# Altium PCB Tigershark 3D R2.2 - RRDC.PcbDoc (part 3 of 4)
Units mil, origin at the board's own origin, x right, y up, seen from the top; angles counter-clockwise.
Board outline 4100 x 4050 mil, 4 copper layers (Top Layer, Groun Plane, Power Plane, Bottom Layer), stack 61.73 mil thick; 356 components, 244 nets, 1149 pads, 847 vias.
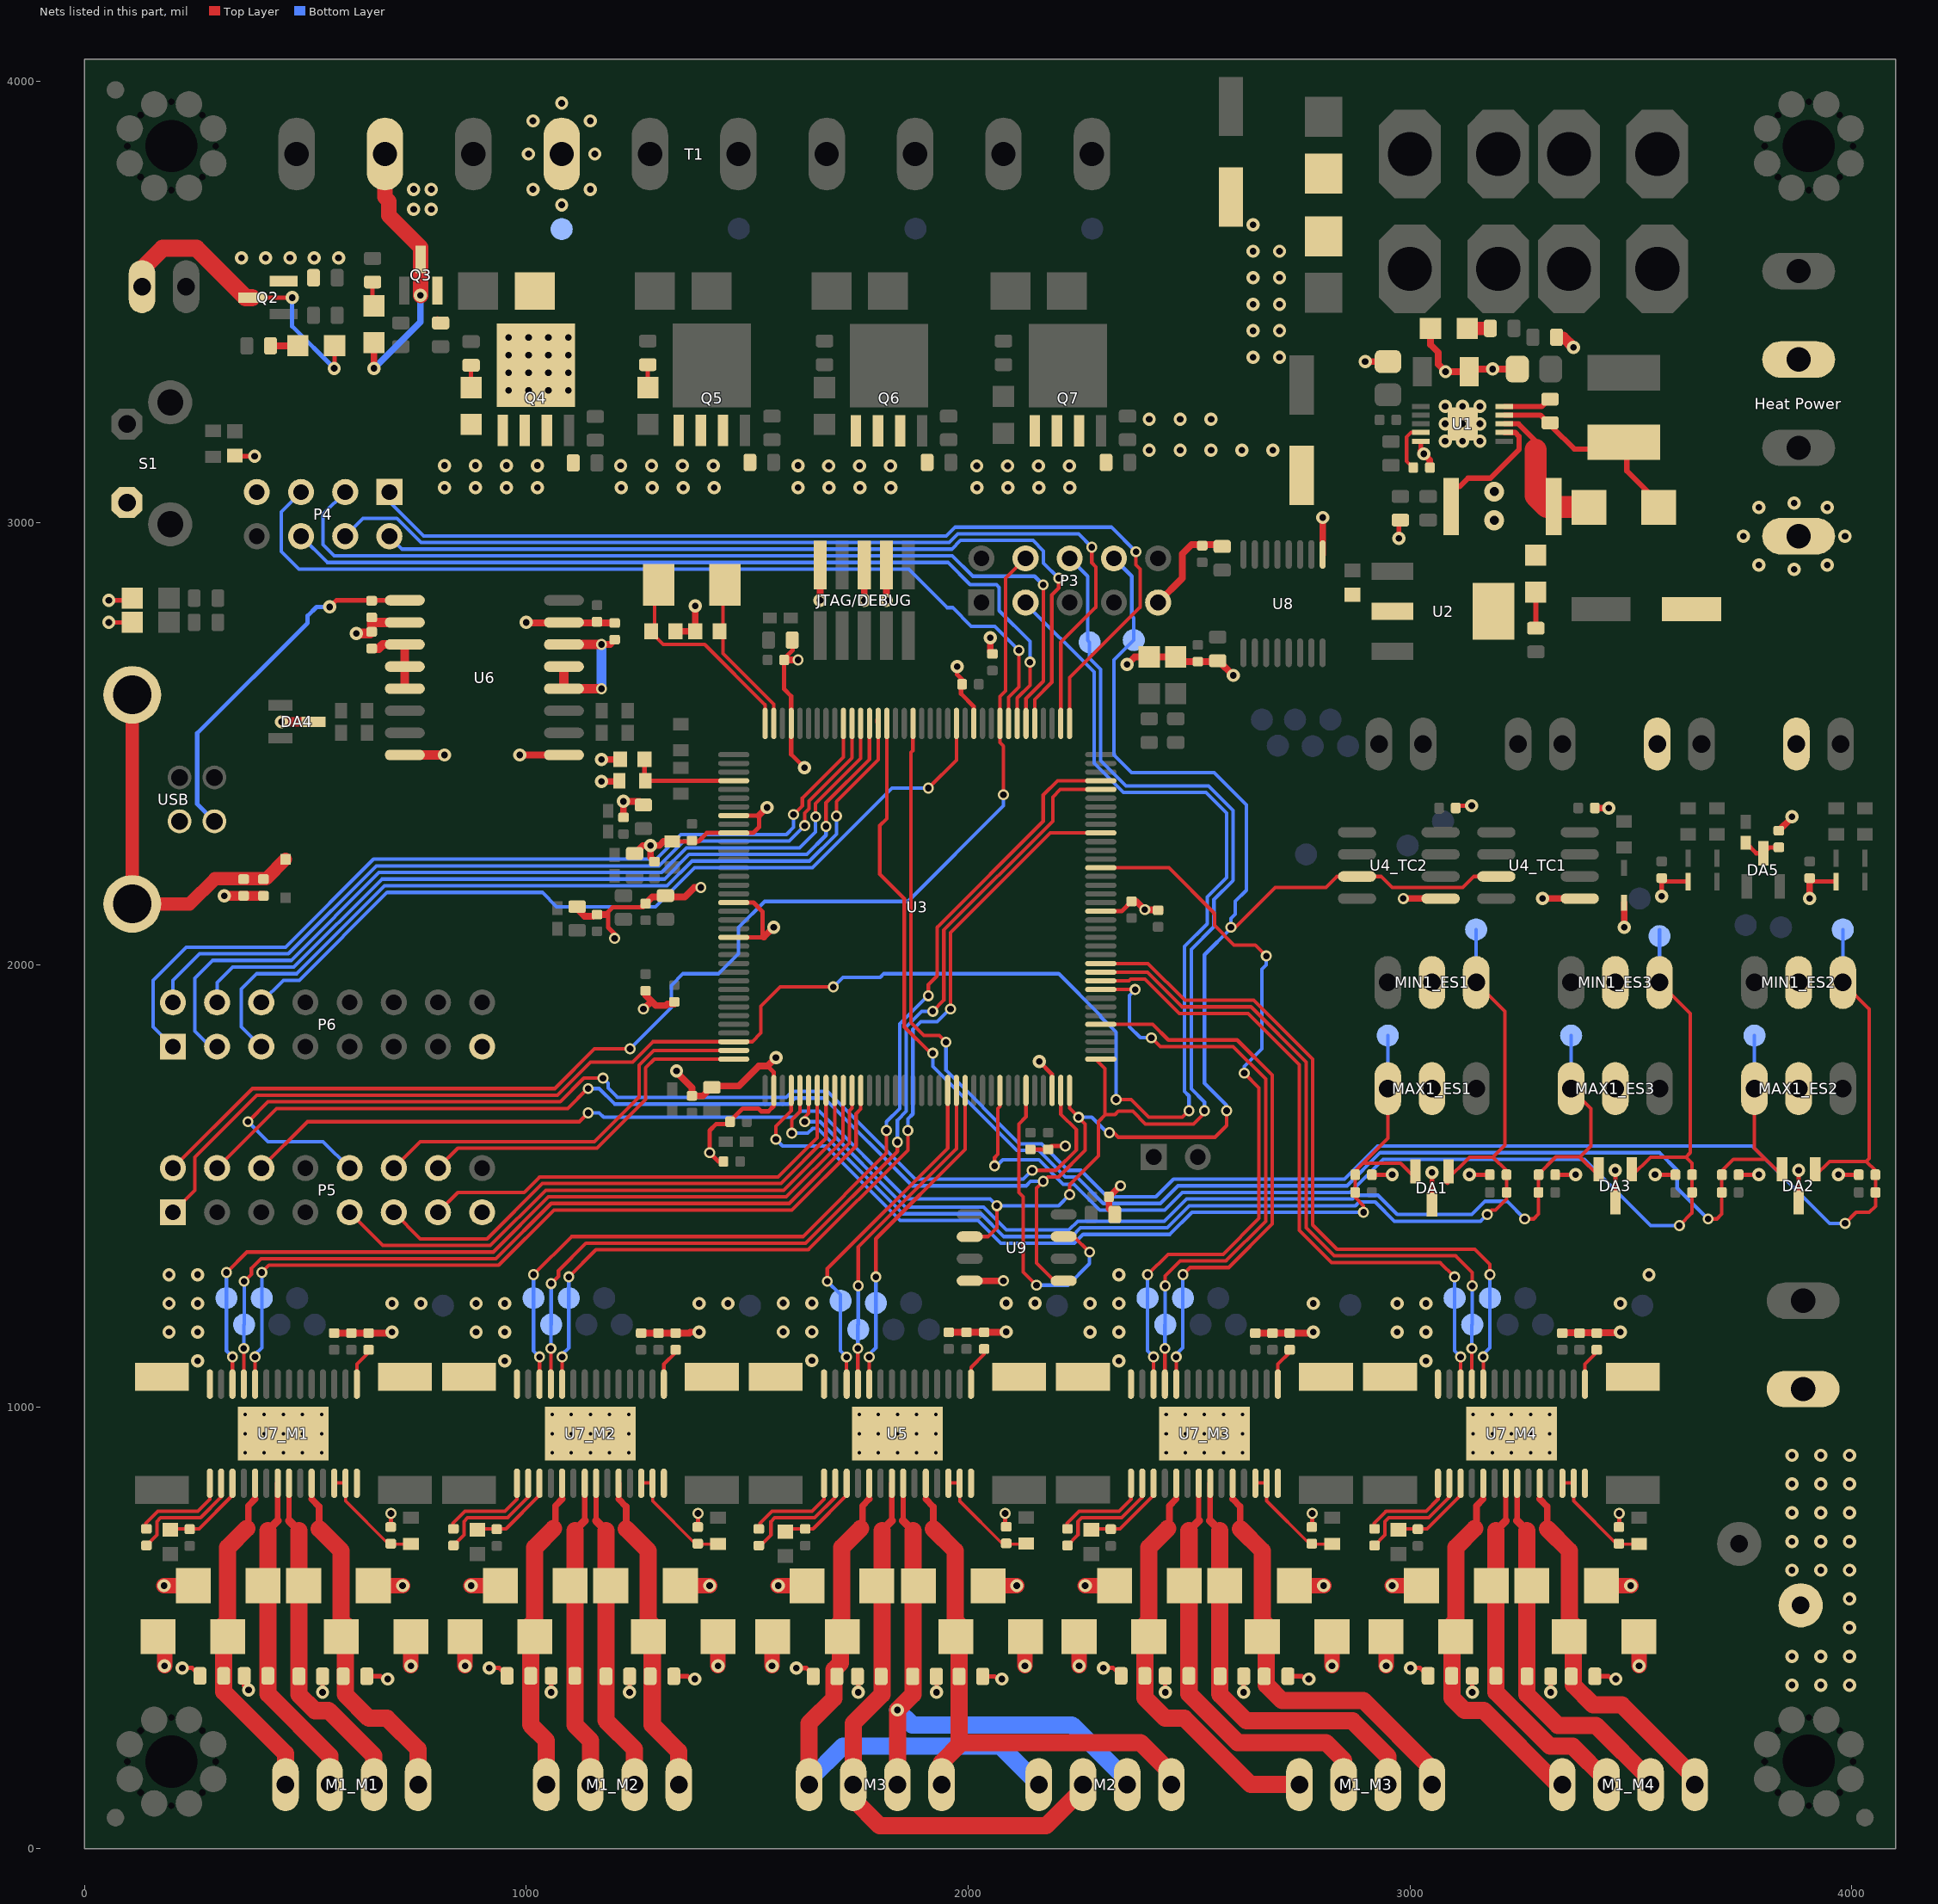
[diagram p5: the nets of this part, all layers, seen from the top]

## Via types
v1: diameter 30, hole 15, Top Layer to Bottom Layer, tented both sides, 526 vias
v2: diameter 25, hole 15, Top Layer to Bottom Layer, tented both sides, 173 vias
v3: diameter 19.68, hole 7.87, Top Layer to Bottom Layer, 75 vias
v4: diameter 25, hole 15, Top Layer to Bottom Layer, 61 vias
v5: diameter 30, hole 15, Top Layer to Bottom Layer, 9 vias
v6: diameter 45, hole 20, Top Layer to Bottom Layer, tented both sides, 2 vias
v7: diameter 25, hole 15, Top Layer to Bottom Layer, tented bottom, 1 vias

## Nets (pads, with @x,y where several pads share a name; then routed paths per layer and width w, separated by ;. In a path a pad name is that pad's centre, name@x,y a point inside that pad or via, vN(x,y) a via of type N, cw(c..) or ccw(c..) an arc to the next point about the centre after c; other vN are vias at no path point) (continued)
GND: "Heat Power.2" "Heat Power.4" "Motor Power.2" C1_ES1.2 C1_ES2.2 C1_ES3.2 C2_ES1.2 C2_ES2.2 C2_ES3.2 C3_M1.2 C3_M2.2 C3_M3.2 C3_M4.2 C4.1 C5_M1.2 C5_M2.2 C5_M3.2 C5_M4.2 C6_M1.2 C6_M2.2 C6_M3.2 C6_M4.2 C7.2 C8_M1.2 C8_M2.2 C8_M3.2 C8_M4.2 C9.2 C10.2 C11.2 C12_M1.1 C12_M2.1 C12_M3.1 C12_M4.1 C13.1 C14_M1.1 C14_M2.1 C14_M3.1 C14_M4.1 C15.2 C16.2 C17.1 C18.2 C19.1 C20.1 C21.2 C22.2 C23.1 C25.1 C26.1 C27.1 C28.1 C29.1 C30_TR1.1 C30_TR2.1 C31_TC1.1 C31_TC2.1 C32.1 C33.1 C34.1 C36.1 C37.1 C38.1 C39.1 C41.1 C42.1 C43.1 C44.1 C45.1 C46.1 C47.1 C48.1 C50.1 C51.1 C52.2 C53.1 C54.1 C55.1 C56.1 C57.1 C60.1 C61.1 C62.2 C63.1 C64.1 C65.1 C67.2 C69.1 C70.1 C71_M1.1 C71_M2.1 C71_M3.1 C71_M4.1 C72.2 C73.1 C75_M1.1 C75_M2.1 C75_M3.1 C75_M4.1 D1.1 D4.1 D5_TR1.1 D5_TR2.1 D6.1 D7.C D9.C D20_M1.C D20_M2.C D20_M3.C D20_M4.C D21_M1.C D21_M2.C D21_M3.C D21_M4.C D22_M1.C D22_M2.C D22_M3.C D22_M4.C D23_M1.C D23_M2.C D23_M3.C D23_M4.C D24.C D25.C D26.C D27.C D28.C D29.C D30.C D31.C DA1.3 DA2.3 DA3.3 JTAG/DEBUG.3 JTAG/DEBUG.5 JTAG/DEBUG.9 MAX1_ES1.2 MAX1_ES2.2 MAX1_ES3.2 MIN1_ES1.2 MIN1_ES2.2 MIN1_ES3.2 P2_TR1.2 P2_TR2.2 P3.9 P4.7 P5.15 P6.15 Q2.2 Q3.2 Q4.1 Q4.2 Q4.3 Q5.1 Q5.2 Q5.3 Q6.1 Q6.2 Q6.3 Q7.1 Q7.2 Q7.3 R4.2 R9.1 R12.2 R23.1 R32_M1.1 R32_M2.1 R32_M3.1 R32_M4.1 R33_M1.1 R33_M2.1 R33_M3.1 R33_M4.1 R38.1 R39.1 R46.2 R55.2 R59.2 R63.2 R67.2 R71.2 S1.2 U1.5 U1.7 U1.11 U2.2 U2.4 U3.12 U3.33 U3.44 U3.46 U3.54 U3.58 U3.74 U3.106 U3.126 U4_TC1.1 U4_TC2.1 U5.14 U5.28 U5.29 U6.9 U6.15 U7_M1.14 U7_M1.28 U7_M1.29 U7_M2.14 U7_M2.28 U7_M2.29 U7_M3.14 U7_M3.28 U7_M3.29 U7_M4.14 U7_M4.28 U7_M4.29 U8.9 U9.4 | length 9094.6
  Top Layer w10: v1(55,2775) D29.C@108,2775 ; v1(55,2825) 103,2825 D24.C@108,2830 ; v1(221.26,408.74) 243.49,408.74 C3_M1.2@261.23,391 ; C63.1@340,3152.44 341.44,3151 v1(385,3151) ; C5_M1.2@361.23,391 361.23,368.77 v1(371.26,358.74) ; v1@538.77,361.23 C8_M1.2@538.77,390 ; C6_M1.2@638.77,390 670,390 v1@686.26,373.74 ; C75_M1.1@693.74,727.44 v4(693.74,758.74) ; R55.2@798.4,3463.13 R55.2@806,3455.53 ; v1(916.26,408.74) 938.49,408.74 C3_M2.2@956.23,391 ; v1(1056.23,353.77) C5_M2.2@1056.23,391 ; 1179.12,2113.7 1185.42,2120 ; v2@1200,2070 1185.42,2084.58 1185.42,2120 ; v1(1233.77,353.74) C8_M2.2@1233.77,390 ; C37.1@1265,2130 1195.42,2130 1185.42,2120 ; R4.2@1319.97,2279.53 1389.88,2279.53 1408.78,2298.43 U3.46@1469.65,2298.43 1513.43,2298.43 1526.69,2311.69 1526.69,2331.75 1526.69,2337.8 U3.44@1469.65,2337.8 ; C6_M2.2@1333.77,390 1365,390 v1@1381.26,373.74 ; C75_M2.1@1388.74,727.44 v4(1388.74,758.74) ; C64.1@1446.3,1555 1435,1555 v2(1415,1575) 1415,1625 1430,1640 1455,1640 1490,1675 1525,1675 1531.69,1668.31 1547.93,1668.31 1560.2,1680.58 U3.74@1560.2,1715.75 1560.2,1757.01 1546.1,1771.1 ; U3.58@1469.65,2062.2 1537.2,2062.2 ; U3.54@1469.65,2140.94 1514.06,2140.94 1535,2120 1535,2065 1537.5,2062.5 ; C33.1@1583.7,2693.91 1583.7,2623.86 1599.57,2607.99 U3.33@1599.57,2546.46 1599.57,2476.26 v1(1629.72,2446.1) ; C33.1@1585,2693.91 1602.56,2711.47 C32.1@1602.56,2726.1 ; v1(1611.29,408.71) 1633.52,408.71 C52.2@1651.26,390.97 ; v1(1751.26,353.74) C62.2@1751.26,390.97 ; v1(1928.8,353.71) C72.2@1928.8,389.97 ; v1(1975,2675) 1975,2657.46 1990,2642.46 1984,2636.46 1984,2613.57 2012.95,2584.61 U3.12@2012.95,2546.46 ; C67.2@2028.8,389.97 2060.03,389.97 v1@2076.29,373.71 ; C51.1@2083.77,727.41 v4(2083.77,758.71) ; C23.1@2141.1,1582.4 C45.1@2181.1,1582.4 2188.7,1590 v2(2220,1590) ; v1(2161.1,1781.1) 2190.12,1752.09 U3.106@2190.12,1715.75 ; U3.126@2300.35,2121.26 2347.56,2121.26 C46.1@2370,2143.7 ; v1(2306.26,408.74) 2328.49,408.74 C3_M3.2@2346.23,391 ; v1(2446.23,353.77) C5_M3.2@2446.23,391 ; v1(2623.77,353.74) C8_M3.2@2623.77,390 ; C6_M3.2@2723.77,390 2755,390 v1@2771.26,373.74 ; C75_M3.1@2778.74,727.44 v4(2778.74,758.74) ; C2_ES1.2@2922.56,1525 v1(2960,1525) ; v1(2975,2965) 2975,3003.33 R12.2@2978.32,3006.65 ; v1(3001.26,408.74) 3023.49,408.74 C3_M4.2@3041.23,391 ; v1@3024.83,3162.91 U1.5@3024.83,3185.06 ; DA1.3@3050,1442.6 v1(3050,1530) ; C31_TC2.1@3103.7,2360 v1(3140,2360) ; v1(3135,1525) C1_ES1.2@3172.91,1525 ; v1(3141.23,353.77) C5_M4.2@3141.23,391 ; v1(3318.77,353.74) C8_M4.2@3318.77,390 ; C2_ES3.2@3329,1525 v1(3375,1525) ; C6_M4.2@3418.77,390 3450,390 v1@3466.26,373.74 ; DA3.3@3465,1447.6 v1(3465,1535) ; C75_M4.1@3473.74,727.44 v4(3473.74,758.74) ; v1(3555,1525) C1_ES3.2@3592.91,1525 ; v1(3570,2155) 3570,2187.44 3570.98,2188.43 D5_TR2.1@3630,2188.43 ; C2_ES2.2@3752.56,1525 v1(3790,1525) ; DA2.3@3880,1447.6 v1(3880,1535) ; C30_TR1.1@3905,2187.44 3905.98,2188.43 D5_TR1.1@3965,2188.43 ; v1(3970,1525) C1_ES2.2@4007.91,1525
  Top Layer w12: 3112.95,3083 3131.36,3101.41 3182.42,3101.41 3246.88,3165.87 3246.88,3196.35 3238.49,3204.74 U1.7@3213.8,3204.74
  Top Layer w15: C12_M1.1@565,1166.7 C14_M1.1@604,1166.7 C71_M1.1@643,1166.7 694.22,1166.7 v1(696.26,1168.74) ; v1(985,2475) U6.9@1085.12,2475 ; v1(1000,2775) 1001.3,2773.7 C56.1@1200,2773.7 ; C55.1@1110,2131.77 1131.77,2110 C54.1@1151.3,2110 ; C54.1@1160,2113.7 1179.12,2113.7 ; v1(1170,2415) 1208.94,2415 R23.1@1210.47,2416.54 ; v1(1170,2465) C73.1@1212.44,2465 ; C61.1@1220,2333.7 v1(1220,2370) 1256.77,2370 C60.1@1265,2361.77 ; C28.1@1246.22,2252.56 1263.66,2270 v1(1281.22,2270) ; C12_M2.1@1260,1166.7 C14_M2.1@1299,1166.7 C71_M2.1@1338,1166.7 1369.22,1166.7 1371.26,1168.74 v1(1391.26,1168.74) ; v2(1265,1900) 1265.82,1900 1283.56,1917.74 ; C37.1@1265,2133.7 1284.96,2153.66 1358.66,2153.66 1380,2175 v2(1395,2175) ; C53.1@1291.22,2233.7 1281.22,2243.7 v1(1281.22,2270) ; 1310.75,2279.53 1301.22,2270 v1(1281.22,2270) ; C48.1@1335,1911.3 1319.48,1911.3 1316.18,1908 1293.3,1908 1290,1911.3 1283.56,1917.74 ; C43.1@1337.56,2755 C44.1@1382.44,2755 v1(1382.44,2812.44) ; v1(1340,1760) 1340,1756.69 1375,1721.69 C27.1@1375,1703.7 1400.04,1703.7 1422.44,1726.1 1481.1,1726.1 1526.1,1771.1 1546.1,1771.1 v1(1565,1790) ; 1526.69,2337.8 v1(1545,2356.1) ; 1537.5,2062.5 v1(1560,2085) ; C33.1@1588.91,2690 v2(1615,2690) ; v1(1665,2825) JTAG/DEBUG.9@1665,2904.92 ; v1(1765,2825) JTAG/DEBUG.5@1765,2904.92 ; v1(1815,2825) 1815,2894.92 1820,2899.92 JTAG/DEBUG.3@1815,2904.92 ; C69.1@1956.26,1168.44 C70.1@1996.26,1168.44 C50.1@2036.26,1168.44 2085.48,1168.44 v1(2086.52,1169.48) ; U9.4@2003.7,1285 v2(2080,1285) ; v1(2050,2740) 2050,2708.7 C38.1@2055,2703.7 ; C29.1@2331.77,1435 2318.7,1448.07 C34.1@2318.7,1475 2345,1501.3 v2(2345,1500) ; v1(2360,2680) 2377,2697 D31.C@2410,2697 D30.C@2470,2697 2480.7,2686.3 C26.1@2520,2686.3 2568.7,2686.3 v1(2600,2655) ; C46.1@2370,2143.7 2381.3,2143.7 v2(2400,2125) 2400,2128.7 2404.35,2124.35 C39.1@2434.35,2124.35 ; P3.9@2430,2820 2485,2875 2485,2930 2506,2951 C17.1@2560,2951 ; C12_M3.1@2650,1166.7 C14_M3.1@2689,1166.7 C71_M3.1@2728,1166.7 2779.22,1166.7 v1(2781.26,1168.74) ; U8.9@2802.57,2928.66 v1(2802.57,3012.43) ; v1(2898.76,3365.43) C10.2@2950.31,3365.43 ; v2(2985,2150) U4_TC2.1@3069.49,2150 ; v1@3024.83,3162.91 3045.31,3142.43 C22.2@3045.31,3125.43 ; D7.C@3046.76,3440.43 3046.76,3403.03 3064.32,3385.48 3064.32,3358.87 v1(3080.76,3342.43) C9.2@3134.46,3342.43 ; C9.2@3140.46,3348.43 v1(3187.31,3348.43) C21.2@3243.31,3348.43 ; v1(3300,2150) U4_TC1.1@3384.49,2150 ; C12_M4.1@3343.74,1167.44 v1@3467.44,1167.44 ; C31_TC1.1@3427.56,2355 v1(3450,2355) ; v1(3485,2085) D1.1@3485,2140.63 ; C19.1@3835,2303.7 3865,2333.7 v1(3865,2335) ; v1(3905,2150) C30_TR1.1@3905,2187.44 ; 1283.56,1917.74 1270,1931.3 1283.56,1917.74
  Top Layer w25: C11.2@3332.09,3420.43 3347.31,3420.43 v1(3370.31,3397.43)
  Top Layer w35: D20_M1.C@166.26,480 181.26,465 v1(181.26,413.74) ; v1(180,595) D21_M1.C@246.26,595 ; D23_M1.C@653.74,595 v1(720,595) ; v1(738.74,413.74) D22_M1.C@738.74,480 ; v1(861.26,413.74) D20_M2.C@861.26,480 ; v1(875,595) D21_M2.C@941.26,595 ; D23_M2.C@1348.74,595 v1(1415,595) ; v1(1433.74,413.74) D22_M2.C@1433.74,480 ; v1(1556.29,413.71) D25.C@1556.29,479.97 ; v1(1570.03,594.97) D26.C@1636.29,594.97 ; D28.C@2043.77,594.97 v1(2110.03,594.97) ; v1(2128.77,413.71) D27.C@2128.77,479.97 ; v1(2251.26,413.74) D20_M3.C@2251.26,480 ; v1(2265,595) D21_M3.C@2331.26,595 ; D23_M3.C@2738.74,595 v1(2805,595) ; v1(2823.74,413.74) D22_M3.C@2823.74,480 ; v1(2946.26,413.74) D20_M4.C@2946.26,480 ; v1(2960,595) D21_M4.C@3026.26,595 ; D23_M4.C@3433.74,595 v1(3500,595) ; v1(3518.74,413.74) D22_M4.C@3518.74,480
  other v1: 538.77,353.74 3865,370 3930,370 3995,370 686.26,383.74 1381.26,383.74 2076.29,383.71 2771.26,383.74 3466.26,383.74 3865,435 3930,435 3995,435 3995,500 3995,565 3865,630 3930,630 3995,630 3865,695 3930,695 3995,695 3865,760 3930,760 3995,760 3865,825 3930,825 3995,825 3865,890 3930,890 3995,890 256.26,1103.74 951.26,1103.74 1646.52,1104.48 2341.26,1103.74 3036.26,1103.74 191.26,1168.74 256.26,1168.74 886.26,1168.74 951.26,1168.74 1581.52,1169.48 1646.52,1169.48 2276.26,1168.74 2341.26,1168.74 2971.26,1168.74 3036.26,1168.74 3476.26,1168.74 191.26,1233.74 256.26,1233.74 696.26,1233.74 761.26,1233.74 886.26,1233.74 951.26,1233.74 1391.26,1233.74 1456.26,1233.74 1581.52,1234.48 1646.52,1234.48 2086.52,1234.48 2151.52,1234.48 2276.26,1233.74 2341.26,1233.74 2781.26,1233.74 2971.26,1233.74 3036.26,1233.74 3476.26,1233.74 191.26,1298.74 256.26,1298.74 2341.26,1298.74 3541.26,1298.74 3870,2895 3790,2905 3945,2905 3755,2970 3985,2970 3790,3035 3945,3035 3870,3045 815,3080 885,3080 955,3080 1025,3080 1215,3080 1285,3080 1355,3080 1425,3080 1615,3080 1685,3080 1755,3080 1825,3080 2020,3080 2090,3080 2160,3080 2230,3080 1684.5,3129.19 1754.5,3129.19 1824.5,3129.19 2019.5,3129.19 2089.5,3129.19 2159.5,3129.19 2229.5,3129.19 815,3130 885,3130 955,3130 1025,3130 1213.5,3129.61 1283.5,3129.61 1353.5,3129.61 1423.5,3129.61 1615,3130 3031.31,3156.43 2410,3165 2480,3165 2550,3165 2620,3165 2690,3165 2410,3235 2480,3235 2550,3235 2645,3375 2705,3375 2645,3435 2705,3435 2645,3495 2705,3495 2645,3555 2705,3555 355,3600 410,3600 465,3600 520,3600 575,3600 2645,3615 2705,3615 2645,3675 745,3710 785,3710 745,3755 785,3755
  other v2: 1200,2060
  other v3: 363.39,895.69 406.69,895.69 450,895.69 493.31,895.69 536.61,895.69 1058.39,895.69 1101.69,895.69 1145,895.69 1188.31,895.69 1231.61,895.69 1753.65,895.69 1796.95,895.69 1840.26,895.69 1883.57,895.69 1926.87,895.69 2448.39,895.69 2491.69,895.69 2535,895.69 2578.31,895.69 2621.61,895.69 3143.39,895.69 3186.69,895.69 3230,895.69 3273.31,895.69 3316.61,895.69 363.39,939 406.69,939 450,939 493.31,939 536.61,939 1058.39,939 1101.69,939 1145,939 1188.31,939 1231.61,939 1753.65,939 1796.95,939 1840.26,939 1883.57,939 1926.87,939 2448.39,939 2491.69,939 2535,939 2578.31,939 2621.61,939 3143.39,939 3186.69,939 3230,939 3273.31,939 3316.61,939 363.39,982.31 406.69,982.31 450,982.31 493.31,982.31 536.61,982.31 1058.39,982.31 1101.69,982.31 1145,982.31 1188.31,982.31 1231.61,982.31 1753.65,982.31 1796.95,982.31 1840.26,982.31 1883.57,982.31 1926.87,982.31 2448.39,982.31 2491.69,982.31 2535,982.31 2578.31,982.31 2621.61,982.31 3143.39,982.31 3186.69,982.31 3230,982.31 3273.31,982.31 3316.61,982.31
  other v5: 3079.94,3185.06 3119.31,3185.06 3158.68,3185.06 3079.94,3224.43 3119.31,3224.43 3158.68,3224.43 3079.94,3263.8 3119.31,3263.8 3158.68,3263.8
  other v6: 3191,3006 3191,3071
GPIO_P_0: P4.1 U3.1 | length 2233.6
  Top Layer w8: U3.1@2229.49,2546.46 2230,2546.97 2230,2650 2389.47,2809.47 2389.47,2895.53 2380,2905 v2(2380,2935)
  Bottom Layer w8: P4.1@690,3070 690,3048.53 767.8,2970.72 1950.72,2970.72 1970.53,2990.53 2324.47,2990.53 v2(2380,2935)
GPIO_P_1: P4.3 U3.6 | length 2137.7
  Top Layer w8: U3.6@2131.06,2546.46 2131.06,2602.42 2170.53,2641.89 2170.53,2859.47 v2(2170,2860)
  Bottom Layer w8: P4.3@590,3070 540,3020 540,2950.72 565,2925.72 1964.28,2925.72 2010.53,2879.47 2150.53,2879.47 v2(2170,2860)
GPIO_P_2: P4.5 U3.8 | length 2090.6
  Top Layer w8: U3.8@2091.69,2546.46 2091.69,2605.48 2115,2628.79 v2(2115,2711.77)
  Bottom Layer w8: P4.5@490,3070 445,3025 445,2935.72 485,2895.72 1865.49,2895.72 1952.71,2808.5 1964.73,2808.5 2007.23,2766 2060.77,2766 v2(2115,2711.77)
GPIO_P_3: P4.2 U3.5 | length 1937.8
  Top Layer w8: U3.5@2150.75,2546.46 2150.75,2600.9 2189.47,2639.62 2189.47,2836.79 2205,2852.31 v2(2205,2875)
  Bottom Layer w8: P4.2@690,2970 719.28,2940.72 1963.15,2940.72 1982.95,2960.53 2146.79,2960.53 2170.53,2936.79 2170.53,2909.47 v2(2205,2875)
GPIO_P_4: P4.4 U3.2 | length 2186.1
  Top Layer w8: U3.2@2209.8,2546.46 2209.8,2729.8 2289.47,2809.47 2289.47,2900.53 2280,2910 v2(2280,2945)
  Bottom Layer w8: P4.4@590,2970 630.53,3010.53 706.79,3010.53 761.59,2955.72 1956.94,2955.72 1976.74,2975.53 2250,2975.53 2280,2945.53 v2(2280,2945)
GPIO_P_5: P4.6 U3.7 | length 1976.8
  Top Layer w8: U3.7@2111.38,2546.46 2111.38,2603.95 2140,2632.57 v2(2140,2685)
  Bottom Layer w8: P4.6@490,2970 549.28,2910.72 1954.28,2910.72 2004.47,2860.53 2064.08,2860.53 2070.53,2854.08 2070.53,2801.63 2140,2732.16 v2(2140,2685)
HOLD#: U3.103 U9.7 | length 703.6
  Top Layer w8: U3.103@2131.06,1715.75 2131.06,1656.06 2115,1640 2115,1485 2125,1475 2125,1305 v2(2155,1275) ; U9.7@2216.3,1385 2240,1385 v2(2275,1350)
  Bottom Layer w8: v2(2155,1275) 2226.31,1275 2275,1323.69 v2(2275,1350)
I2C_SCL: P3.3 P5.1 U3.70 | length 4325.8
  Top Layer w8: P5.1@200,1440 250,1490 250,1565 390,1705 1070.55,1705 1145.55,1780 1240.8,1780 1286.79,1825.98 U3.70@1469.65,1825.98 1510.98,1825.98 1531.08,1846.08 1531.08,1906.08 1575,1950 v2(1695,1950) ; v2(2335,1695) 2368.71,1695 2408.71,1655 2485,1655 v2(2500,1670)
  Bottom Layer w8: v2(1695,1950) 1716.5,1971.5 1800.95,1971.5 1809.45,1980 2205,1980 2300,1885 2300,1882.57 2335,1847.57 v2(2335,1695) ; P3.3@2130,2820 2130,2817.57 2285,2662.57 2285,2456.36 2351.36,2390 2538.23,2390 2585,2343.23 2585,2197.28 2541.5,2153.78 2541.5,2092.86 2490,2041.36 2490,1713.38 2500,1703.38 v2(2500,1670)
I2C_SDA: P3.4 P5.2 U3.9 | length 2871
  Top Layer w8: P5.2@200,1540 380,1720 1064.34,1720 1154.34,1810 v2(1235,1810) ; v2(2080,2385) 2080,2495 2072.01,2502.99 U3.9@2072.01,2546.46 2072.01,2607.01 2085,2620 2085,2875 P3.4@2130,2920
  Bottom Layer w8: v2(1235,1810) 1328.5,1903.5 1328.5,1953.5 1355,1980 1435,1980 1480,2025 1480,2084.2 1539.3,2143.5 1863.5,2143.5 2080,2360 v2(2080,2385)
INPUT_GND: C24.1 C58.1 C59.1 DA4.3 R24.1 U6.2 U6.8 USB.4 | length 383.9
  Top Layer w22: v1(316.1,2156.1) R24.1@405,2156.1 ; v1(445.88,2550) DA4.3@518.28,2550 ; v1(615,2750) 646.3,2750 C59.1@650,2753.7 650,2775 U6.2@724.88,2775 ; U6.8@724.88,2475 v1(814.76,2475)
MAX_ES1: C2_ES1.1 DA1.2 MAX1_ES1.1 R3_ES1.1 TP10_ES1.1 U3.76 | length 2166.6
  Top Layer w8: v4(1565,1605) 1565,1635 1599.57,1669.57 U3.76@1599.57,1715.75 ; C2_ES1.1@2875,1532.56 2893.44,1551 ; C2_ES1.1@2876.3,1525 2876.1,1524.8 R3_ES1.1@2876.1,1485 2876.1,1473.9 2895,1455 v2(2895,1440) ; MAX1_ES1.1@2950,1720 2950,1607.56 2893.44,1551 ; DA1.2@3005,1509.8 3012.6,1517.4 2979,1551 2893.44,1551
  Bottom Layer w8: v4(1565,1605) 1580,1590 1677.72,1590 1845.95,1421.77 2022.57,1421.77 2074.34,1370 2240.55,1370 2260.55,1390 2456.77,1390 2506.77,1440 v2(2895,1440) v2@2885,1440 ; MAX1_ES1.1@2950,1720 TP10_ES1.1@2950,1840
MAX_ES2: C2_ES2.1 DA2.2 MAX1_ES2.1 R3_ES2.1 TP10_ES2.1 U3.22 | length 3427.6
  Top Layer w8: U3.22@1816.1,2546.46 1816.1,2331.1 1800,2315 1800,2205.47 1855.47,2150 1855.47,1859.53 1915,1800 v2(1920,1800) ; v2(3675,1425) 3695,1425 3706.1,1436.1 3706.1,1470 ; R3_ES2.1@3706.1,1485 3706.1,1533.66 3732.44,1560 3805,1560 ; MAX1_ES2.1@3780,1720 3780,1585 3842.6,1522.4 DA2.2@3840,1519.8
  Bottom Layer w8: v2(1920,1800) 1920,1770 2110,1580 2160,1580 2220,1520 2246.21,1520 2306.21,1460 2435,1460 2475,1500 2858.13,1500 2933.13,1575 3565,1575 3605,1535 3605,1495 v2(3675,1425) ; MAX1_ES2.1@3780,1720 TP10_ES2.1@3780,1840
MAX_ES3: C2_ES3.1 DA3.2 MAX1_ES3.1 R3_ES3.1 TP10_ES3.1 U3.78 | length 2475.5
  Top Layer w8: v4(1630,1645) 1630,1655 1638.94,1663.94 U3.78@1638.94,1715.75 ; v2(3260,1425) 3280,1425 3291.1,1436.1 3291.1,1470 ; C2_ES3.1@3289.95,1525 C2_ES3.1@3289.95,1526.41 ; R3_ES3.1@3291.1,1485 3291.1,1526.1 3330.43,1565.43 3385.43,1565.43 3410,1590 3410,1675 MAX1_ES3.1@3365,1720 ; 3385,1565 3427.6,1522.4 DA3.2@3425,1519.8
  Bottom Layer w8: v4(1630,1645) 1665.15,1645 1858.38,1451.77 2035,1451.77 2086.77,1400 2228.13,1400 2248.13,1420 2444.34,1420 2494.34,1470 2870.55,1470 2879.05,1478.5 2927.71,1478.5 2971.21,1435 3140,1435 3170,1465 3220,1465 v2(3260,1425) ; MAX1_ES3.1@3365,1720 TP10_ES3.1@3365,1840
MCCDZ: P5.14 U3.72 | length 813.8
  Top Layer w8: P5.14@800,1540 845,1585 1160,1585 1270,1695 1270,1766.77 1289.84,1786.61 U3.72@1469.65,1786.61
MCCK: P5.12 U3.71 | length 922
  Top Layer w8: P5.12@700,1540 760,1600 1153.79,1600 1255,1701.21 1255,1772.98 1288.32,1806.3 U3.71@1469.65,1806.3
MCDZ0: P5.10 U3.107 | length 2478